# KiCad board Turbo_XT_Mainboard R3.kicad_pcb (continued)
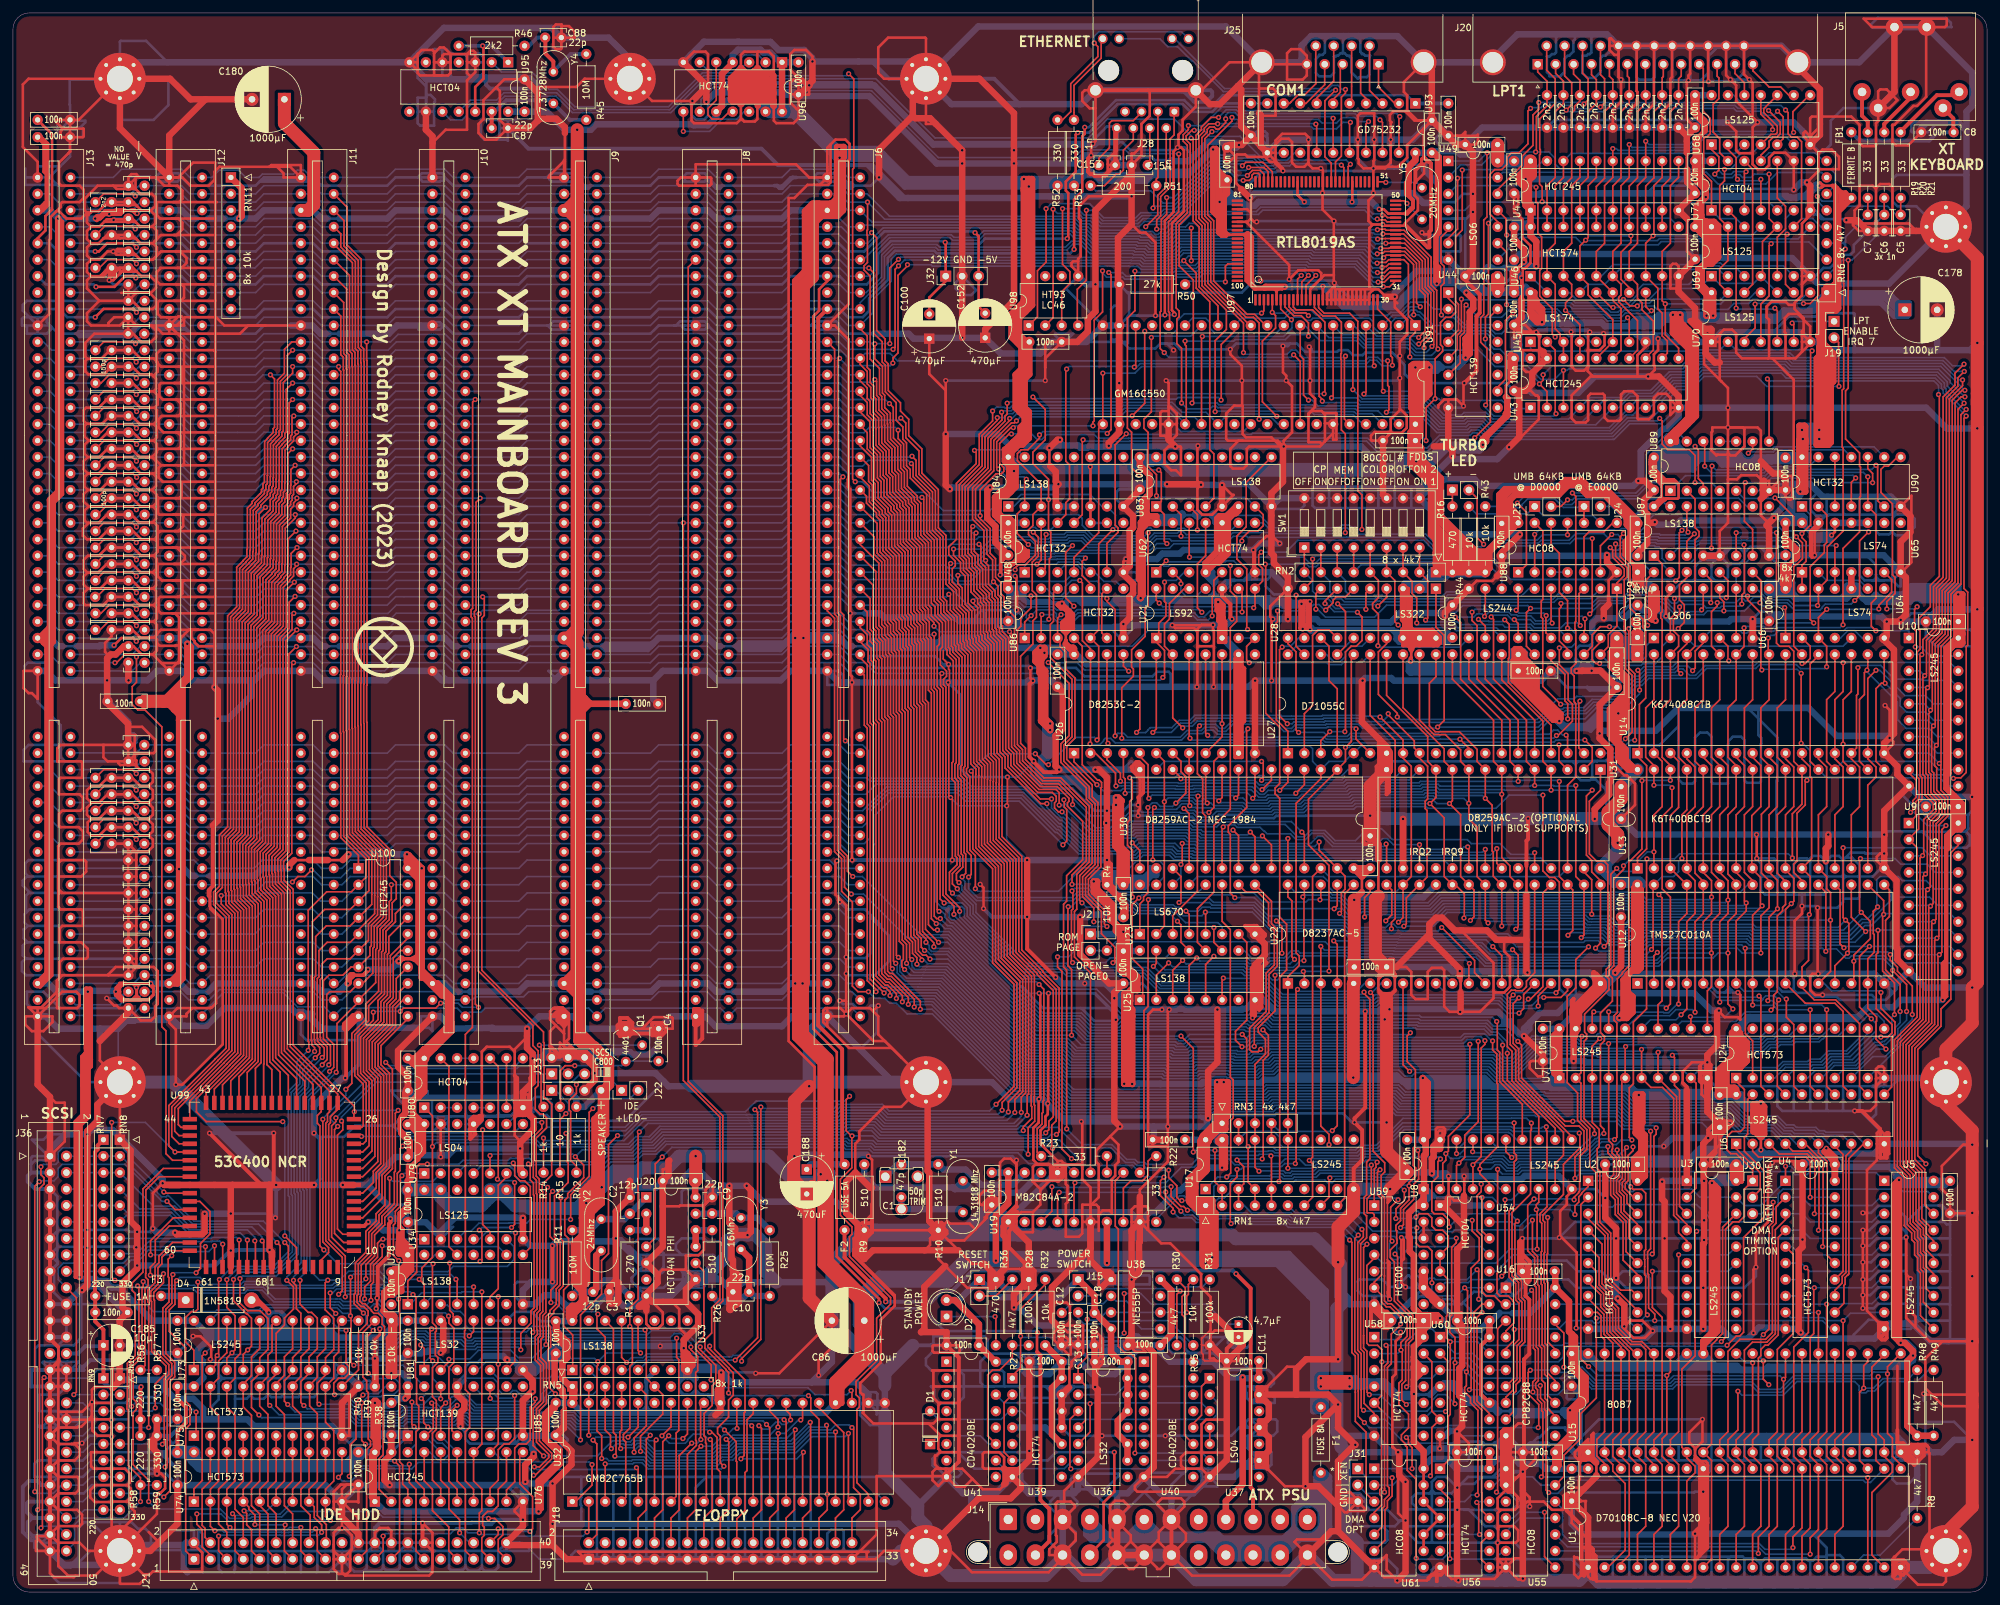
[diagram p0: board, top side]
## Routing (per net, layer and track width the routed paths; a pad name or vN(x,y) marks a point on that pad's centre or on a via; arc(x,y) is an arc through that point) (continued)
/XA2: length 132.7
  Top w0.25: 283.84,76.84 282.57,78.1 282.57,89.66 281.3,90.93 276.73,90.93 U12.10 273.69,105.41 v1(274.57,106.3) 274.97,106.7 274.97,110.22 273.69,111.51 U13.10 273.69,120.02 274.95,121.28 274.95,127.4 273.69,128.67 U14.10 ; v1(211.96,103.65) 212.89,104.57 212.89,108.42 U22.34
  Bottom w0.25: v1(274.57,106.3) 272.94,104.66 251.31,104.66 250.13,105.84 221.06,105.84 219.38,104.16 212.48,104.16 v1(211.96,103.65)
/XA3: length 134.4
  Top w0.25: v1(280.03,89.92) 280.03,78.11 U6.14 ; U22.35 209.55,108.09 208.69,107.23 v1(208.69,104.24) ; v1(270.95,91.32) 271.14,91.51 U12.9 271.14,104.21 v1(272.44,105.51) 272.44,109.89 271.14,111.19 U13.9 271.14,120.02 272.41,121.28 272.41,127.63 271.14,128.91 U14.9
  Bottom w0.25: v1(208.69,104.24) 209.06,104.61 219.2,104.61 220.88,106.29 250.31,106.29 251.5,105.11 272.04,105.11 v1(272.44,105.51) ; v1(270.95,91.32) 271.71,91.32 272.44,90.59 276.84,90.59 276.93,90.68 279.27,90.68 v1(280.03,89.92)
/XA4: length 257.3
  Top w0.25: v1(277.5,89.92) 277.5,78.1 U6.15 ; 268.6,129.54 268.6,128.91 269.88,127.63 269.88,121.28 268.48,119.89 268.48,111.89 268.6,111.76 268.6,111.57 269.81,110.36 269.81,106.22 v1(270.07,105.96) 268.6,104.49 v1(268.6,90.65) ; v1(159.51,163.32) 159.38,163.45 159.38,158.12 U48.2 ; v1(190.67,133.31) 190.48,133.12 190.48,121.14 187.65,118.31 187.65,117.33 187.96,117.02 187.96,107.93 v1(188.66,107.23) ; v1(171.2,131.84) 171.2,139.64 172.99,141.44 172.99,142.53 172.72,142.8 172.72,145.49 174.81,147.58 174.81,151.93 175.25,152.37 v1(175.25,163.58) ; v1(204,105.51) 204.47,105.98 U22.37
  Bottom w0.25: v1(159.51,163.32) 162.31,163.32 162.64,163.66 165.53,163.66 166.53,162.66 174.33,162.66 v1(175.25,163.58) ; v1(277.5,89.92) 272.48,89.92 271.8,90.6 268.65,90.6 v1(268.6,90.65) ; v1(188.66,107.23) 191.67,107.23 193.37,105.54 203.97,105.54 v1(204,105.51) 204.03,105.54 205.23,105.54 206.06,104.71 207.99,104.71 208.34,105.06 219.01,105.06 220.69,106.74 250.5,106.74 251.68,105.56 269.67,105.56 v1(270.07,105.96) ; v1(190.67,133.31) 189.83,132.47 185.96,132.47 185.33,133.09 184.19,133.09 183.67,132.57 181.43,132.57 180.43,131.57 171.47,131.57 v1(171.2,131.84)
/XA5: length 178.9
  Top w0.25: U22.38 201.93,107.02 v1(201.8,106.9) ; v1(273.81,91.57) 273.81,88.77 274.95,87.63 274.95,78.1 276.22,76.84 ; U14.7 266.06,128.91 267.33,127.63 267.33,121.28 266.06,120.02 U13.7 266.06,111.12 267.33,109.85 267.33,106.69 v1(267.62,106.41) 267.62,105.18 266.06,103.63 U12.7 ; U25.1 174.43,91.88 174.43,96.2 172.78,97.85 172.78,106.12 v1(173.84,107.18)
  Bottom w0.25: v1(173.84,107.18) 174.31,107.64 188,107.64 188.31,107.96 191.58,107.96 192.99,106.55 199.64,106.55 200.02,106.93 201.77,106.93 v1(201.8,106.9) 201.84,106.93 203.18,106.93 203.37,106.74 204.79,106.74 206.38,105.16 207.8,105.16 208.15,105.51 218.82,105.51 220.51,107.19 250.69,107.19 251.87,106.01 267.22,106.01 v1(267.62,106.41) ; v1(273.81,91.57) 273.58,91.57 272.37,92.78 267.27,92.78 U12.7
/XA6: length 174
  Top w0.25: U25.2 176.53,95.25 v1(178.44,97.16) ; U14.6 263.52,128.91 264.79,127.63 264.79,121.28 263.52,120.02 U13.6 263.52,111.12 264.81,109.84 v1(264.81,106.86) 264.81,104.79 263.52,103.5 U12.6 v1(263.52,91.1) ; U6.17 272.41,78.1 272.41,91.22 v1(272.62,91.43) ; U22.39 199.39,107.58 v1(199.16,107.35) 199.33,107.17 v1(199.33,97.5)
  Bottom w0.25: v1(199.33,97.5) 198.75,97.5 197.7,96.46 194.38,96.46 194.06,96.13 190.48,96.13 190.07,96.55 179.04,96.55 v1(178.44,97.16) ; v1(263.52,91.1) 263.8,91.37 269.25,91.37 269.31,91.31 270,91.31 270.23,91.54 270.23,91.67 270.61,92.05 272.01,92.05 v1(272.62,91.43) ; v1(199.16,107.35) 199.43,107.62 203.13,107.62 203.56,107.19 204.98,107.19 206.56,105.61 207.62,105.61 207.97,105.96 218.64,105.96 220.32,107.64 250.87,107.64 252.06,106.46 264.41,106.46 v1(264.81,106.86)
/XA7: length 168.1
  Top w0.25: U14.5 260.99,128.91 262.25,127.63 262.25,121.28 260.99,120.02 U13.5 260.99,111.12 262.25,109.85 262.25,104.78 260.99,103.5 U12.5 ; v1(197.87,97.7) 197.47,98.1 197.47,106.72 196.85,107.35 U22.40 ; U6.18 269.88,78.1 269.88,91.76 v1(269.6,92.04) ; v1(180.59,97.54) 179.07,96.01 U25.3
  Bottom w0.25: U22.40 197.98,108.09 203.29,108.09 203.74,107.64 205.17,107.64 206.75,106.06 207.43,106.06 207.81,106.44 218.48,106.44 220.13,108.09 251.06,108.09 252.24,106.91 261.86,106.91 v1(262.26,107.31) ; v1(197.87,97.7) 197.2,97.02 194.31,97.02 193.87,96.58 190.67,96.58 190.26,97 181.13,97 v1(180.59,97.54) ; v1(269.6,92.04) 269.42,91.86 263.11,91.86 U12.5
/XA8: length 203.9
  Top w0.25: U25.5 184.15,96.9 v1(185.42,98.17) ; U7.11 261.62,92.84 262.26,93.47 262.26,98.68 v1(262.25,98.68) 262.25,103.5 263.52,104.78 U12.27 263.52,109.85 262.25,111.12 262.25,120.02 263.52,121.28 U13.27 263.52,127.63 262.25,128.91 262.25,136.53 263.52,137.8 U14.27 262.25,146.05 262.25,151.38 263.14,152.27 v1(263.14,152.78) ; v1(284.38,153.11) 285.12,153.85 285.12,162.31 v1(286.51,163.7)
  Bottom w0.25: v1(284.38,153.11) 283.83,152.56 279.81,152.56 279.36,152.11 279.36,151.99 278.99,151.61 275.06,151.61 273.93,152.75 270.77,152.75 269.89,153.63 268.76,153.63 268.18,153.05 267.48,153.05 267.1,153.43 266.65,153.43 266.01,152.78 v1(263.14,152.78) ; 190.23,97.93 190.25,97.92 ; 190.23,97.93 185.66,97.93 v1(185.42,98.17) ; 190.23,97.93 190.59,97.93 191.04,97.48 193.5,97.48 193.94,97.92 196.28,97.92 197.36,99 198.42,99 198.74,98.68 206.08,98.68 206.21,98.55 213,98.55 213.07,98.48 226.07,98.48 227.43,97.12 253.96,97.12 255.53,98.68 v1(262.25,98.68) ; v1(286.51,163.7) 286.24,163.97 280.9,163.97 280.8,164.07 279.27,164.07 279.17,163.97 278.23,163.97 277.51,164.7 277.51,166.35 U90.1
/XA9: length 194
  Top w0.25: v1(278.04,149.65) 277.5,150.19 277.5,158.34 279.67,160.52 279.67,161.69 280.05,162.07 280.05,166.35 U90.2 ; U25.4 181.61,96.75 v1(182.77,97.92) ; v1(267.28,148.9) 267.28,145.99 U14.26 266.06,137.8 264.79,136.53 264.79,128.91 266.06,127.63 U13.26 266.06,121.28 264.79,120.01 264.79,110.87 266.06,109.6 U12.26 266.06,104.78 264.79,103.5 v1(264.79,98.68) 264.79,90.81 v1(265.56,90.04) ; U7.12 259.08,88.76 v1(259,88.85)
  Bottom w0.25: v1(182.77,97.92) 183.25,97.45 190.45,97.45 190.86,97.03 193.68,97.03 194.12,97.47 196.46,97.47 197.54,98.55 198.23,98.55 198.55,98.23 205.89,98.23 206.03,98.1 212.82,98.1 212.88,98.03 225.88,98.03 227.25,96.67 254.15,96.67 255.4,97.92 262.51,97.92 263.27,98.68 v1(264.79,98.68) ; v1(278.04,149.65) 272.52,149.65 271.69,148.81 270.6,148.81 270.31,149.11 267.5,149.11 v1(267.28,148.9) ; v1(259,88.85) 259.09,88.75 264.27,88.75 v1(265.56,90.04)
/XA10: length 74
  Top w0.25: v1(271.45,89.87) 271.85,90.27 271.85,92.14 272.41,92.71 272.41,104.4 273.23,105.22 273.23,105.72 273.69,106.17 U12.23 273.69,109.73 272.41,111 272.41,120.02 273.69,121.28 U13.23 273.69,127.63 272.41,128.91 272.41,136.53 273.69,137.8 U14.23
  Bottom w0.25: U7.13 257.67,88.12 266.02,88.12 267.5,89.6 271.17,89.6 v1(271.45,89.87)
/XA11: length 73.9
  Top w0.25: U7.14 254,90.68 254.61,91.29 254.61,107.21 v1(254.13,107.7) ; 268.6,144.78 268.6,137.8 267.33,136.53 267.33,128.91 268.6,127.63 268.6,121.28 267.33,120.02 267.33,111.12 268.6,109.85 268.6,109.22
  Bottom w0.25: 268.6,109.22 267.84,109.22 266.66,108.04 254.47,108.04 v1(254.13,107.7)
/XA12: length 49.8
  Top w0.25: U14.4 258.44,128.67 259.71,127.4 259.71,121.28 258.44,120.02 U13.4 258.44,111.12 259.71,109.85 259.71,104.78 258.44,103.5 U12.4 258.44,90.04 v1(257.56,89.15)
  Bottom w0.25: U7.15 252.82,88.36 256.76,88.36 v1(257.56,89.15)
/XA13: length 70.1
  Top w0.25: v1(259.72,89.54) 259.72,103.5 260.99,104.77 U12.28 260.99,109.73 259.71,111 259.71,120.02 260.99,121.28 U13.28 260.99,127 259.71,128.27 259.71,136.53 260.99,137.8 U14.28
  Bottom w0.25: v1(259.72,89.54) 259.32,89.94 256.75,89.94 255.8,88.99 250.92,88.99 U7.16
/XA14: length 55.4
  Top w0.25: v1(257.18,90.81) 257.18,103.5 258.44,104.78 U12.29 U13.3 255.9,119.89 257.18,121.16 257.18,128.27 255.9,129.54 U14.3 ; U7.17 v1(246.38,89.6)
  Bottom w0.25: v1(246.38,89.6) 246.44,89.53 254.83,89.53 254.92,89.44 255.62,89.44 256.98,90.81 v1(257.18,90.81)
/XA15: length 74.1
  Top w0.25: v1(244.08,89.6) 243.84,89.35 U7.18 ; v1(253.37,124.59) U13.31 253.37,127.63 252.09,128.91 252.09,136.53 253.37,137.8 U14.31 ; v1(256.16,124.21) 256.16,121.28 254.63,119.76 254.63,108.59 255.9,107.31 U12.3 255.9,90.81 v1(255.27,90.17)
  Bottom w0.25: v1(256.16,124.21) 255.78,124.59 v1(253.37,124.59) ; v1(255.27,90.17) 254.87,90.57 246.27,90.57 245.3,89.6 v1(244.08,89.6)
/XA16: length 126.7
  Top w0.25: v1(245.64,70.8) 245.64,71.48 245.11,72.01 245.11,84.52 245.72,85.13 245.72,85.81 245.11,86.42 245.11,89.41 246.95,91.25 246.95,94.78 246.44,95.29 246.44,95.97 247.16,96.69 247.16,110.07 248.67,111.58 v1(248.67,112.14) ; U87.1 254.63,158.75 254.63,151.39 254.43,151.18 254.43,150.41 254.63,150.2 254.63,137.8 253.37,136.53 U14.2 253.37,129.54 254.63,128.27 254.63,121.28 253.37,120.02 v1(253.37,114.3) U13.2 ; v1(222.88,67.69) U8.18
  Bottom w0.25: v1(253.37,114.3) 252.35,114.3 251.08,113.03 249.56,113.03 v1(248.67,112.14) ; v1(245.64,70.8) 245.32,70.8 244.53,70.01 244.32,70.01 242.58,68.27 231.95,68.27 231.94,68.29 230.87,68.29 230.86,68.27 227.97,68.27 227.95,68.25 226.91,68.25 226.44,68.72 224.48,68.72 223.45,67.69 v1(222.88,67.69)
/XA17: length 147.7
  Top w0.25: v1(255.9,125.35) U13.30 255.9,127.63 254.63,128.91 254.63,136.53 255.9,137.8 U14.30 257.18,146.05 257.18,147.65 256.37,148.45 256.37,150.14 257.33,151.1 v1(257.33,152.11) ; v1(251.51,125.3) 251.51,114.73 249.49,112.71 249.49,96.67 248.5,95.68 248.5,95.49 247.71,94.7 247.71,89.5 247.21,88.99 247.21,88.3 247.65,87.86 247.65,70.23 v1(247.28,69.86) ; v1(267.28,161.71) 267.33,161.66 267.33,154.35 266.94,153.96 v1(266.94,152.56) ; v1(225.37,68) 225.37,68.02 225.43,68.07 U8.17
  Bottom w0.25: 255.9,160.02 257.29,161.41 259.76,161.41 260.15,161.79 260.33,161.79 260.47,161.93 266.92,161.93 267.21,161.64 v1(267.28,161.71) ; v1(257.33,152.11) 257.73,152.51 260.92,152.51 261.46,151.98 263.56,151.98 263.81,152.24 266.61,152.24 v1(266.94,152.56) ; v1(225.37,68) 225.57,67.8 228.13,67.8 228.14,67.81 231.03,67.81 231.06,67.84 231.76,67.84 231.77,67.82 242.76,67.82 244.5,69.56 244.71,69.56 245.12,69.97 247.18,69.97 v1(247.28,69.86) ; v1(255.9,125.35) 251.56,125.35 v1(251.51,125.3)
/XA18: length 136.2
  Top w0.25: v1(244.19,70.77) 244.19,71.5 242.57,73.11 242.57,85.03 242.98,85.44 242.98,86.16 242.66,86.48 242.66,89.25 246.44,93.02 246.44,94.66 245.99,95.1 245.99,96.16 246.7,96.87 246.7,110.83 v1(247.62,111.75) ; U87.3 258.44,162.25 v1(259.61,163.41) ; v1(248.66,163.46) 248.17,162.96 248.17,159.89 249.68,158.38 249.68,151.95 250.79,150.84 251.05,150.84 251.65,150.23 251.65,148.96 252.09,148.52 252.09,138.05 251.12,137.07 251.12,129.83 U14.1 250.82,129.03 252.24,127.62 252.24,114.76 250.82,113.35 U13.1
  Bottom w0.25: v1(247.62,111.75) 248.08,111.29 250.35,111.29 U13.1 ; v1(248.66,163.46) 249.18,162.95 254.01,162.95 254.18,162.78 258.98,162.78 v1(259.61,163.41) ; 227.96,69.85 229.09,68.72 230.68,68.72 230.69,68.74 232.13,68.74 232.14,68.72 242.14,68.72 v1(244.19,70.77)
/XA19: length 154
  Top w0.25: v1(231.41,67.11) 230.5,68.01 U8.15 ; U87.6 v1(266.06,163.58) ; v1(272.29,163.58) 272.29,146.53 272.77,146.05 274.19,146.05 274.95,145.29 274.95,128.27 U13.22 276.22,121.67 274.74,120.18 v1(274.74,113.35) ; v1(252.29,113.22) 252.23,113.15 252.23,90.05 250.19,88.01 250.19,78.49 249.56,77.86 249.56,70.2 v1(249.96,69.8)
  Bottom w0.25: v1(266.06,163.58) v1(272.29,163.58) ; v1(274.74,113.35) 274.08,114.01 257.33,114.01 256.54,113.22 v1(252.29,113.22) ; v1(231.41,67.11) 231.67,67.37 242.95,67.37 244.69,69.11 244.9,69.11 245.3,69.52 246.56,69.52 246.99,69.09 247.58,69.09 248.29,69.8 v1(249.96,69.8)
/XD0: length 244.1
  Top w0.25: v1(224.03,104.08) 224.09,104.14 224.09,107.82 222.69,109.22 U22.30 220.98,110.49 220.98,119.55 v1(218.78,121.76) 219.71,122.69 U31.11 218.44,128.27 218.44,132.11 212.09,138.46 U27.34 ; v1(176.24,121.14) 175.99,120.89 v1(175.99,113.05) ; U12.13 281.31,96.71 v1(283.25,98.66) 283.46,98.87 283.46,103.25 v1(282.96,103.76) 282.57,104.14 v1(282.57,114.94) ; v1(181.71,121.43) 181.61,121.53 U30.11 U26.8 ; v1(293.26,89.18) 293.26,93.58 290.97,95.88 290.97,96.49 289.86,97.6 v1(289.86,98.44)
  Bottom w0.25: v1(289.86,98.44) 289.46,98.84 283.43,98.84 v1(283.25,98.66) ; U24.9 291.46,84.46 291.46,86.68 293.26,88.47 v1(293.26,89.18) ; v1(218.78,121.76) 207.26,121.76 206.85,121.35 199.7,121.35 199.17,120.82 194.63,120.82 194.29,120.48 190.14,120.48 189.63,120.99 185.12,120.99 185,121.11 182.66,121.11 182.6,121.17 181.97,121.17 v1(181.71,121.43) 181.42,121.72 180.47,121.72 180.12,121.38 180.12,121.32 179.66,120.86 176.51,120.86 v1(176.24,121.14) ; v1(282.57,114.94) 294.77,114.94 296.04,113.66 U9.18 ; v1(224.03,104.08) 224.45,104.49 242.86,104.49 243.41,103.94 243.85,103.94 246.33,103.94 247.63,102.64 249.01,102.64 249.46,103.09 268.7,103.09 269.15,102.64 281.84,102.64 v1(282.96,103.76) ; v1(175.99,113.05) 176.16,112.89 177.07,112.89 177.66,112.3 177.66,110.35 U23.15
/XD1: length 259.1
  Top w0.25: v1(225.03,103.71) 225.59,104.27 225.59,108.42 U22.29 223.52,110.49 223.52,120.03 v1(221.8,121.76) 222.25,122.21 U31.10 220.98,128.27 220.98,130.21 214.63,136.56 U27.33 ; v1(290.22,96.01) 290.22,95.98 292.38,93.83 v1(292.38,89.65) ; U26.7 180.34,128.27 180.34,126.68 181.08,125.94 181.08,123.35 v1(179.55,121.82) ; v1(175.24,121.14) 175.24,108 174.57,107.33 174.57,106.83 173.99,106.26 U23.1 ; U12.14 284.23,94.36 v1(284.23,97.41) 284.23,98.36 286.78,100.91 286.78,103.56 v1(285.38,104.96) 285.12,105.22 285.12,113.12 v1(285.25,113.26) ; v1(184.4,121.83) 184.15,122.08 U30.10
  Bottom w0.25: v1(290.22,96.01) 290.22,96.38 288.81,97.79 284.61,97.79 v1(284.23,97.41) ; v1(221.8,121.76) 219.85,121.76 219.12,122.48 218.43,122.48 218.17,122.23 207.09,122.23 206.67,121.8 199.51,121.8 198.99,121.27 194.44,121.27 194.1,120.93 190.33,120.93 189.82,121.44 185.36,121.44 184.97,121.83 v1(184.4,121.83) 184.26,121.69 182.47,121.69 181.99,122.17 180.28,122.17 179.93,121.82 v1(179.55,121.82) 179.04,121.31 177.14,121.31 176.59,121.86 175.89,121.86 175.24,121.21 v1(175.24,121.14) ; v1(285.38,104.96) 282.62,102.19 268.96,102.19 268.51,102.64 249.65,102.64 249.2,102.19 247.44,102.19 246.15,103.49 243.66,103.49 243.23,103.49 242.68,104.04 225.36,104.04 v1(225.03,103.71) ; 283.84,79.38 287.15,82.68 289.05,82.68 291.01,84.64 291.01,86.93 292.38,88.29 v1(292.38,89.65) ; U9.17 296.8,111.12 295.53,112.4 291.46,112.4 290.6,113.26 v1(285.25,113.26)
/XD2: length 244.8
  Top w0.25: U23.2 177.77,102.84 v1(177.77,122.04) 177.77,128.3 U26.6 ; v1(186.18,122.17) 186.69,122.68 U30.9 ; v1(227.76,103.32) 227.33,103.75 U22.28 226.06,110.49 226.06,118.11 224.79,119.38 v1(224.79,121.79) U31.9 223.52,128.27 223.52,130.05 221.17,132.4 219.43,132.4 217.17,134.66 U27.32 ; v1(289.19,83.84) 287.65,85.38 287.65,88.08 287.75,88.17 287.75,88.81 286.38,90.17 U12.15 286.38,97.79 287.37,98.78 287.37,101.54 287.23,101.68 287.23,105.13 v1(287.9,105.8)
  Bottom w0.25: v1(224.79,121.79) 224.03,122.55 219.69,122.55 219.31,122.93 218.24,122.93 217.99,122.68 206.9,122.68 206.48,122.25 199.33,122.25 198.8,121.72 194.26,121.72 193.91,121.38 190.51,121.38 190.01,121.89 186.45,121.89 v1(186.18,122.17) 185.79,122.56 184.06,122.56 183.64,122.14 182.66,122.14 182.18,122.62 178.36,122.62 v1(177.77,122.04) ; v1(227.76,103.32) 228,103.56 242.53,103.56 243.04,103.04 243.48,103.04 243.48,103.04 245.96,103.04 247.26,101.74 249.38,101.74 249.83,102.19 268.33,102.19 268.78,101.74 283.28,101.74 285.42,103.89 286.26,103.89 287.9,105.53 v1(287.9,105.8) 287.78,105.92 287.78,109.98 288.29,110.49 291.08,110.49 291.71,109.85 295.4,109.85 296.67,108.59 U9.16 ; v1(289.19,83.84) 287.68,83.84 284.7,80.87 282.8,80.87 U24.7
/XD3: length 256
  Top w0.25: v1(291.38,89.65) 291.38,93.83 289.13,96.07 289.13,103.71 289.72,104.3 289.72,108.42 U12.17 ; U27.31 219.71,141.35 218.69,140.34 218.69,133.77 219.62,132.85 223.33,132.85 226.06,130.12 226.06,128.27 U31.8 v1(227.33,122.56) 228.38,121.5 228.38,114.45 228.56,114.28 228.56,110.53 U22.27 v1(229.87,102.83) ; U30.8 189.23,123.06 v1(188.79,122.62) ; U26.5 173.99,129.03 175.26,127.76 175.26,122.68 v1(175.39,122.56) ; U23.3 179.07,104.42 182.88,108.23 182.88,122.9 v1(182.97,122.9)
  Bottom w0.25: 290.32,107.31 295.91,107.31 297.18,106.05 U9.15 ; 290.32,107.31 290,107 ; 290.32,107.31 290,107.63 ; 290.32,107.31 290.07,107.31 290,107.38 290,107.63 ; v1(291.38,89.65) 291.38,87.93 290.56,87.11 290.56,85.97 289.16,84.57 288.84,84.57 288.71,84.44 287.64,84.44 284.51,81.32 281.22,81.32 279.28,79.38 U24.6 ; 290,107 290,107.44 ; 290,107 290,106.88 286.5,103.38 285.63,103.38 283.54,101.29 268.59,101.29 268.14,101.74 251.9,101.74 251.45,101.29 247.07,101.29 245.77,102.59 243.29,102.59 243.29,102.59 242.85,102.59 242.37,103.08 230.11,103.08 v1(229.87,102.83) ; 290,107.63 290,108.14 U12.17 ; v1(227.33,122.56) 226.88,123 219.88,123 219.5,123.38 218.05,123.38 217.8,123.13 206.72,123.13 206.29,122.7 199.14,122.7 198.61,122.17 194.07,122.17 193.73,121.83 190.7,121.83 189.92,122.62 v1(188.79,122.62) 188.4,123.01 183.08,123.01 v1(182.97,122.9) 182.8,123.07 175.91,123.07 v1(175.39,122.56)
/XD4: length 230.6
  Top w0.25: U27.30 222.25,140.97 228.6,134.62 228.6,128.27 U31.7 v1(229.87,123.19) 229.87,113.41 231.14,112.14 231.14,110.49 U22.26 232.41,102.72 v1(232.04,102.35) ; U26.4 171.45,125.83 171.72,125.56 v1(171.72,123.33) ; v1(290.51,89.16) 290.51,94.06 288.68,95.89 288.68,104.48 v1(288.83,104.64) 288.83,106.77 U12.18 ; v1(191.42,122.57) 191.77,122.92 U30.7
  Bottom w0.25: U9.14 299.08,104.78 288.8,104.78 286.95,102.93 285.93,102.93 283.82,100.81 268.44,100.81 267.95,101.29 252.08,101.29 251.63,100.84 246.89,100.84 245.59,102.14 243.1,102.14 242.67,102.14 242.46,102.35 v1(232.04,102.35) ; 276.22,79.38 277.1,79.38 278.22,80.5 279.77,80.5 281.03,81.77 284.33,81.77 287.45,84.89 288.53,84.89 288.66,85.02 288.94,85.02 290.11,86.19 290.11,88.76 v1(290.51,89.16) ; v1(229.87,123.19) 229.61,123.45 220.06,123.45 219.68,123.83 217.87,123.83 217.61,123.58 206.53,123.58 206.11,123.15 198.96,123.15 198.43,122.62 193.88,122.62 193.54,122.28 191.71,122.28 v1(191.42,122.57) 190.53,123.46 183.52,123.46 183.35,123.62 182.54,123.62 182.44,123.52 171.91,123.52 v1(171.72,123.33)
/XD5: length 232.9
  Top w0.25: v1(192.87,123.91) 194.31,125.35 U30.6 ; v1(287.96,102.19) 287.96,98.73 287.69,98.46 287.69,90.07 290.13,87.63 290.13,86.36 289.47,85.7 v1(288.4,85.7) ; U26.3 168.91,128.52 171,126.44 v1(171,125.21) ; U12.19 283.84,104.2 v1(286.06,101.99) ; v1(232.41,125.19) U31.6 231.14,128.27 231.14,134.62 224.79,140.97 U27.29 ; v1(240.1,101.42) 240.83,102.15 240.83,108.42 U22.23 238.76,110.49 v1(238.76,125.19)
  Bottom w0.25: v1(286.06,101.99) 286.25,102.19 v1(287.96,102.19) 288,102.24 299.08,102.24 U9.13 ; v1(286.06,101.99) 286.18,102.12 ; v1(286.06,101.99) 284.43,100.36 268.25,100.36 267.77,100.84 252.27,100.84 251.82,100.39 246.7,100.39 245.4,101.69 242.92,101.69 242.48,101.69 242.36,101.82 240.5,101.82 v1(240.1,101.42) ; v1(288.4,85.7) 287.49,85.7 284.01,82.22 280.85,82.22 279.58,80.95 278.04,80.95 277.65,80.56 274.87,80.56 U24.4 ; v1(238.76,125.19) 238.6,125.35 232.57,125.35 v1(232.41,125.19) 217.31,125.19 217.08,124.96 206,124.96 205.57,124.52 193.88,124.52 193.26,123.91 v1(192.87,123.91) 192.52,123.91 191.53,124.9 183.98,124.9 183.91,124.97 180.77,124.97 180.67,124.87 179.97,124.87 179.88,124.97 171.23,124.97 v1(171,125.21)
/XD6: length 235.3
  Top w0.25: U12.20 282.1,108.42 282.1,100.09 v1(282.7,99.49) ; v1(195.6,123.8) 196.85,125.05 U30.5 ; v1(242.14,101.05) 242.57,101.48 U22.22 241.3,110.49 v1(241.3,124.55) ; U26.2 167.13,129.54 170.23,126.44 170.23,124.56 v1(170.31,124.48) ; v1(234.95,124.55) U31.5 233.68,128.27 233.68,134.62 227.33,140.97 U27.28 ; v1(286.93,88.52) 285.12,90.33 285.12,98.17 v1(286.64,99.69)
  Bottom w0.25: v1(286.93,88.52) 287.65,87.79 287.65,86.67 283.65,82.67 280.66,82.67 279.4,81.4 277.85,81.4 277.47,81.01 273.66,81.01 272.02,79.38 U24.3 ; v1(170.31,124.48) 171.16,124.48 171.19,124.51 179.7,124.51 179.79,124.42 182.07,124.42 182.17,124.52 183.72,124.52 183.89,124.36 191.36,124.36 192.53,123.18 193.17,123.18 193.79,123.8 v1(195.6,123.8) 195.87,124.07 205.76,124.07 206.16,124.48 217.24,124.48 217.5,124.73 220.06,124.73 220.34,124.45 234.28,124.45 234.38,124.55 v1(234.95,124.55) 237.84,124.55 237.93,124.46 241.21,124.46 v1(241.3,124.55) ; v1(242.14,101.05) 245.4,101.05 246.51,99.94 252.01,99.94 252.46,100.39 267.58,100.39 268.08,99.89 282.3,99.89 v1(282.7,99.49) 282.9,99.69 v1(286.64,99.69) 299.08,99.69 U9.12
/XD7: length 229.2
  Top w0.25: v1(243.84,123.82) 242.95,122.93 242.95,113.8 243.76,112.98 243.76,111.2 245.11,109.85 U22.21 245.11,100.2 v1(244.35,99.44) ; U27.27 229.87,140.85 236.22,134.5 236.22,128.27 U31.4 v1(237.49,123.82) ; U30.4 199.39,124.66 v1(198.08,123.35) ; v1(279.91,98.93) 279.91,108.08 U12.21 ; U26.1 163.83,128.2 v1(167.36,124.67) ; 268.6,79.38 268.6,85.11 267.48,86.24 267.48,98.82 267.46,98.84 v1(267.46,99.4)
  Bottom w0.25: v1(243.84,123.82) v1(237.49,123.82) 230.31,123.82 230.22,123.92 220.23,123.92 219.87,124.28 217.68,124.28 217.43,124.03 206.34,124.03 205.94,123.62 198.35,123.62 v1(198.08,123.35) 197.8,123.07 193.7,123.07 193.36,122.73 192.34,122.73 191.16,123.91 183.7,123.91 183.53,124.07 182.36,124.07 182.26,123.97 179.54,123.97 179.45,124.06 171.37,124.06 171.07,123.75 168.28,123.75 v1(167.36,124.67) ; U9.11 299.08,97.16 290.08,97.16 289,98.24 283.86,98.24 283.5,97.88 282.99,97.88 281.56,99.31 280.29,99.31 v1(279.91,98.93) 279.44,99.4 v1(267.46,99.4) 266.92,99.94 252.64,99.94 251.66,98.96 244.83,98.96 v1(244.35,99.44)
/XD_DIR: length 106.6
  Top w0.25: v1(270.89,187.32) 271.14,187.07 U89.8 ; U9.1 293.78,119.79 293.78,122.01 294.31,122.54 294.31,125.55 294,125.87 294,145.15 294.45,145.6 294.45,148.43 294.23,148.65 294.23,150.34 296.04,152.15 296.04,155.45 297.43,156.84 297.43,184.78 v1(297.31,184.91)
  Bottom w0.25: v1(297.31,184.91) 297.31,186.31 296.6,187.01 271.2,187.01 v1(270.89,187.32)
/~{06X}: length 96.7
  Top w0.25: U25.12 182.88,100.33 182.88,105.54 185.42,108.08 185.42,118.36 187.96,120.9 187.96,148.91 188.94,149.89 188.94,153.58 187.96,154.56 v1(187.96,158.5)
  Bottom w0.25: v1(187.96,158.5) 187.82,158.63 178.63,158.63 178.4,158.41 177.71,158.41 177.49,158.62 165.56,158.62 164.68,159.51 161.22,159.51 161.16,159.45 157.13,159.45 156.21,158.53 U48.1
/~{30X}: length 286.5
  Top w0.25: v1(190.63,148.64) 190.5,148.77 190.5,157.99 188.98,159.51 188.98,163.07 190.41,164.5 190.41,171.36 U83.9 ; v1(161.28,98.07) 161.28,96.53 161.97,95.84 161.97,68.4 v1(163.44,66.92) ; v1(79.59,66.11) 79.87,65.83 79.87,63.64 80.36,63.14 80.36,61.34 80.46,61.24 80.46,43.89 79.99,43.42 79.99,41.51 78.41,39.93 v1(78.41,37.41) ; v1(62.96,38.15) 63.5,37.61 U81.1 ; U86.4 165.1,146.05 165.1,127.75 167.45,125.4 167.71,125.4 168.08,125.02 168.08,124.27 167.97,124.16 167.97,111.99 166.05,110.07 166.05,107.74 168.51,105.28 168.51,103.18 v1(168.91,102.78)
  Bottom w0.25: v1(62.96,38.15) 63.02,38.09 67.72,38.09 68.32,37.48 71.39,37.48 71.72,37.81 78.01,37.81 v1(78.41,37.41) ; v1(163.44,66.92) 161.02,69.35 160.35,69.35 160.19,69.19 133.32,69.19 132.79,69.72 129.15,69.72 128.82,70.05 100.53,70.05 99.01,68.52 96.92,68.52 95.78,67.38 91.76,67.38 90.36,65.98 79.71,65.98 v1(79.59,66.11) ; v1(168.91,102.78) 165.26,102.78 165.04,102.55 165.04,100.14 162.97,98.07 v1(161.28,98.07) ; v1(190.63,148.64) 190.45,148.47 175.23,148.47 172.81,146.05 165.1,146.05 U86.4
/~{38X}: length 290.3
  Top w0.25: v1(176.56,169.28) 176.56,172.55 175.26,173.85 175.26,179.07 174.62,179.71 174.62,181.11 175.77,182.25 v1(175.77,193.73) ; v1(144.77,158.83) 144.56,158.62 144.56,155.79 145.67,154.68 145.67,151.96 146.69,150.93 146.69,146.81 146.91,146.59 146.91,145.91 147.88,144.94 147.88,127.89 148.68,127.09 148.68,126.3 148.66,126.27 148.66,114.94 151.71,111.88 151.71,97.34 155.01,94.04 155.01,77.89 152.73,75.61 v1(152.73,74.41) ; v1(111.52,35.81) 114.97,39.27 114.97,74.08 v1(114.55,74.49) ; U83.7 193.04,166.37 193.04,164.66 192.21,163.83 190.88,163.83 189.74,162.69 v1(189.74,162.31)
  Bottom w0.25: v1(114.55,74.49) 114.87,74.17 126.97,74.17 127.66,74.86 134.05,74.86 135.13,73.79 152.11,73.79 v1(152.73,74.41) ; U33.5 96.62,34.29 98.15,35.81 v1(111.52,35.81) ; v1(189.74,162.31) 189.29,161.86 179.24,161.86 178.55,161.17 176.52,161.17 175.75,160.41 160.85,160.41 160.79,160.35 155.25,160.35 154.37,161.23 151.03,161.23 148.63,158.83 v1(144.77,158.83) ; U83.7 190.37,169.04 176.81,169.04 v1(176.56,169.28) ; U91.14 181.86,193.93 175.97,193.93 v1(175.77,193.73)
/~{A1}: length 21.2
  Top w0.25: U78.6 73.66,45.58 74.93,46.85 74.93,62.81 76.2,64.08 U79.6
/~{AEN}: length 202
  Top w0.25: v1(208.61,92.63) 208.61,92.43 209.51,91.53 209.51,66.89 209.01,66.39 209.01,61.33 208.61,60.94 208.61,58.44 208.94,58.11 209.01,58.11 209.01,54.7 208.08,53.78 208.08,37.53 208.61,37.01 208.61,31.42 208.61,31.42 208.61,29.13 210.19,27.56 U58.6 ; v1(235.49,25.4) 235.58,25.49 235.58,28.96 233.94,30.6 233.94,33.91 v1(234.28,34.25) ; v1(271.1,32.02) 270.25,32.87 v1(270.25,35.69) ; v1(270.26,39.75) 271.14,40.64 271.14,56.51 271.78,57.15 v1(271.78,60.2) ; v1(186.89,94.81) 186.69,94.62 U25.6
  Bottom w0.25: v1(186.89,94.81) 186.93,94.77 193.55,94.77 196.03,92.29 208.27,92.29 v1(208.61,92.63) ; v1(271.78,60.2) 270,58.42 J30.3 ; v1(271.1,32.02) 270.23,32.89 256.51,32.89 255.89,32.27 244.13,32.27 242.48,33.92 238.49,33.92 U16.15 234.31,34.29 v1(234.28,34.25) ; U58.6 211.84,26.67 213.11,25.4 221.21,25.4 221.53,25.72 223.23,25.72 223.54,25.4 v1(235.49,25.4) ; v1(270.26,39.75) 269.86,39.35 269.86,36.09 v1(270.25,35.69)
/~{BIDE_CS0}: length 19.3
  Top w0.25: U76.12 76.2,17.14 74.93,15.88 74.93,13.33 74.04,12.45 73.28,12.45 72.52,11.68 72.52,10.29 72.77,10.03 72.77,8.76 72.39,8.38 72.39,6.35 J21.37
/~{BIDE_CS1}: length 21.2
  Top w0.25: U76.11 78.25,21.1 78.25,16.72 80.23,14.74 80.23,9.76 v1(79.83,9.36) ; J21.38 74.92,8.88 v1(74.92,9.76)
  Bottom w0.25: v1(79.83,9.36) 78.14,9.36 77.72,9.78 74.93,9.78 v1(74.92,9.76)
/~{BIOR}: length 430.2
  Top w0.25: v1(155.99,71.26) 155.99,71.83 157.31,73.14 157.31,74.97 157.22,75.07 157.22,76.67 157.26,76.71 157.26,95.1 153.96,98.4 153.96,112.82 150.91,115.87 150.91,125.32 150.93,125.34 150.93,128.03 150.13,128.82 150.13,145.87 149.16,146.84 149.16,147.52 148.94,147.74 148.94,152.03 148.22,152.76 v1(148.22,153.04) ; U76.13 74.93,22.86 v1(74.93,35.18) v1(74.93,45.59) ; v1(89.41,19.69) 89.41,16.51 86.87,13.97 U32.1 ; v1(168.27,188.21) U91.21 167.64,179.71 167.64,163.58 163.83,159.77 U48.4 ; U97.29 210.04,189.5 v1(210.19,189.36) ; U78.2 63.5,47.52 v1(62.72,48.29) 63.12,48.69 63.12,50.03 64.77,51.68 v1(64.77,68.79) 64.77,73.53 U80.1 ; U73.1 27.94,37.34 26.67,38.61 26.67,42.42 27.56,43.31 28.16,43.31 28.55,43.69 v1(28.55,47.85)